# KiCad board AMC_FMC_Carrier-PcbDoc.kicad_pcb (continued)
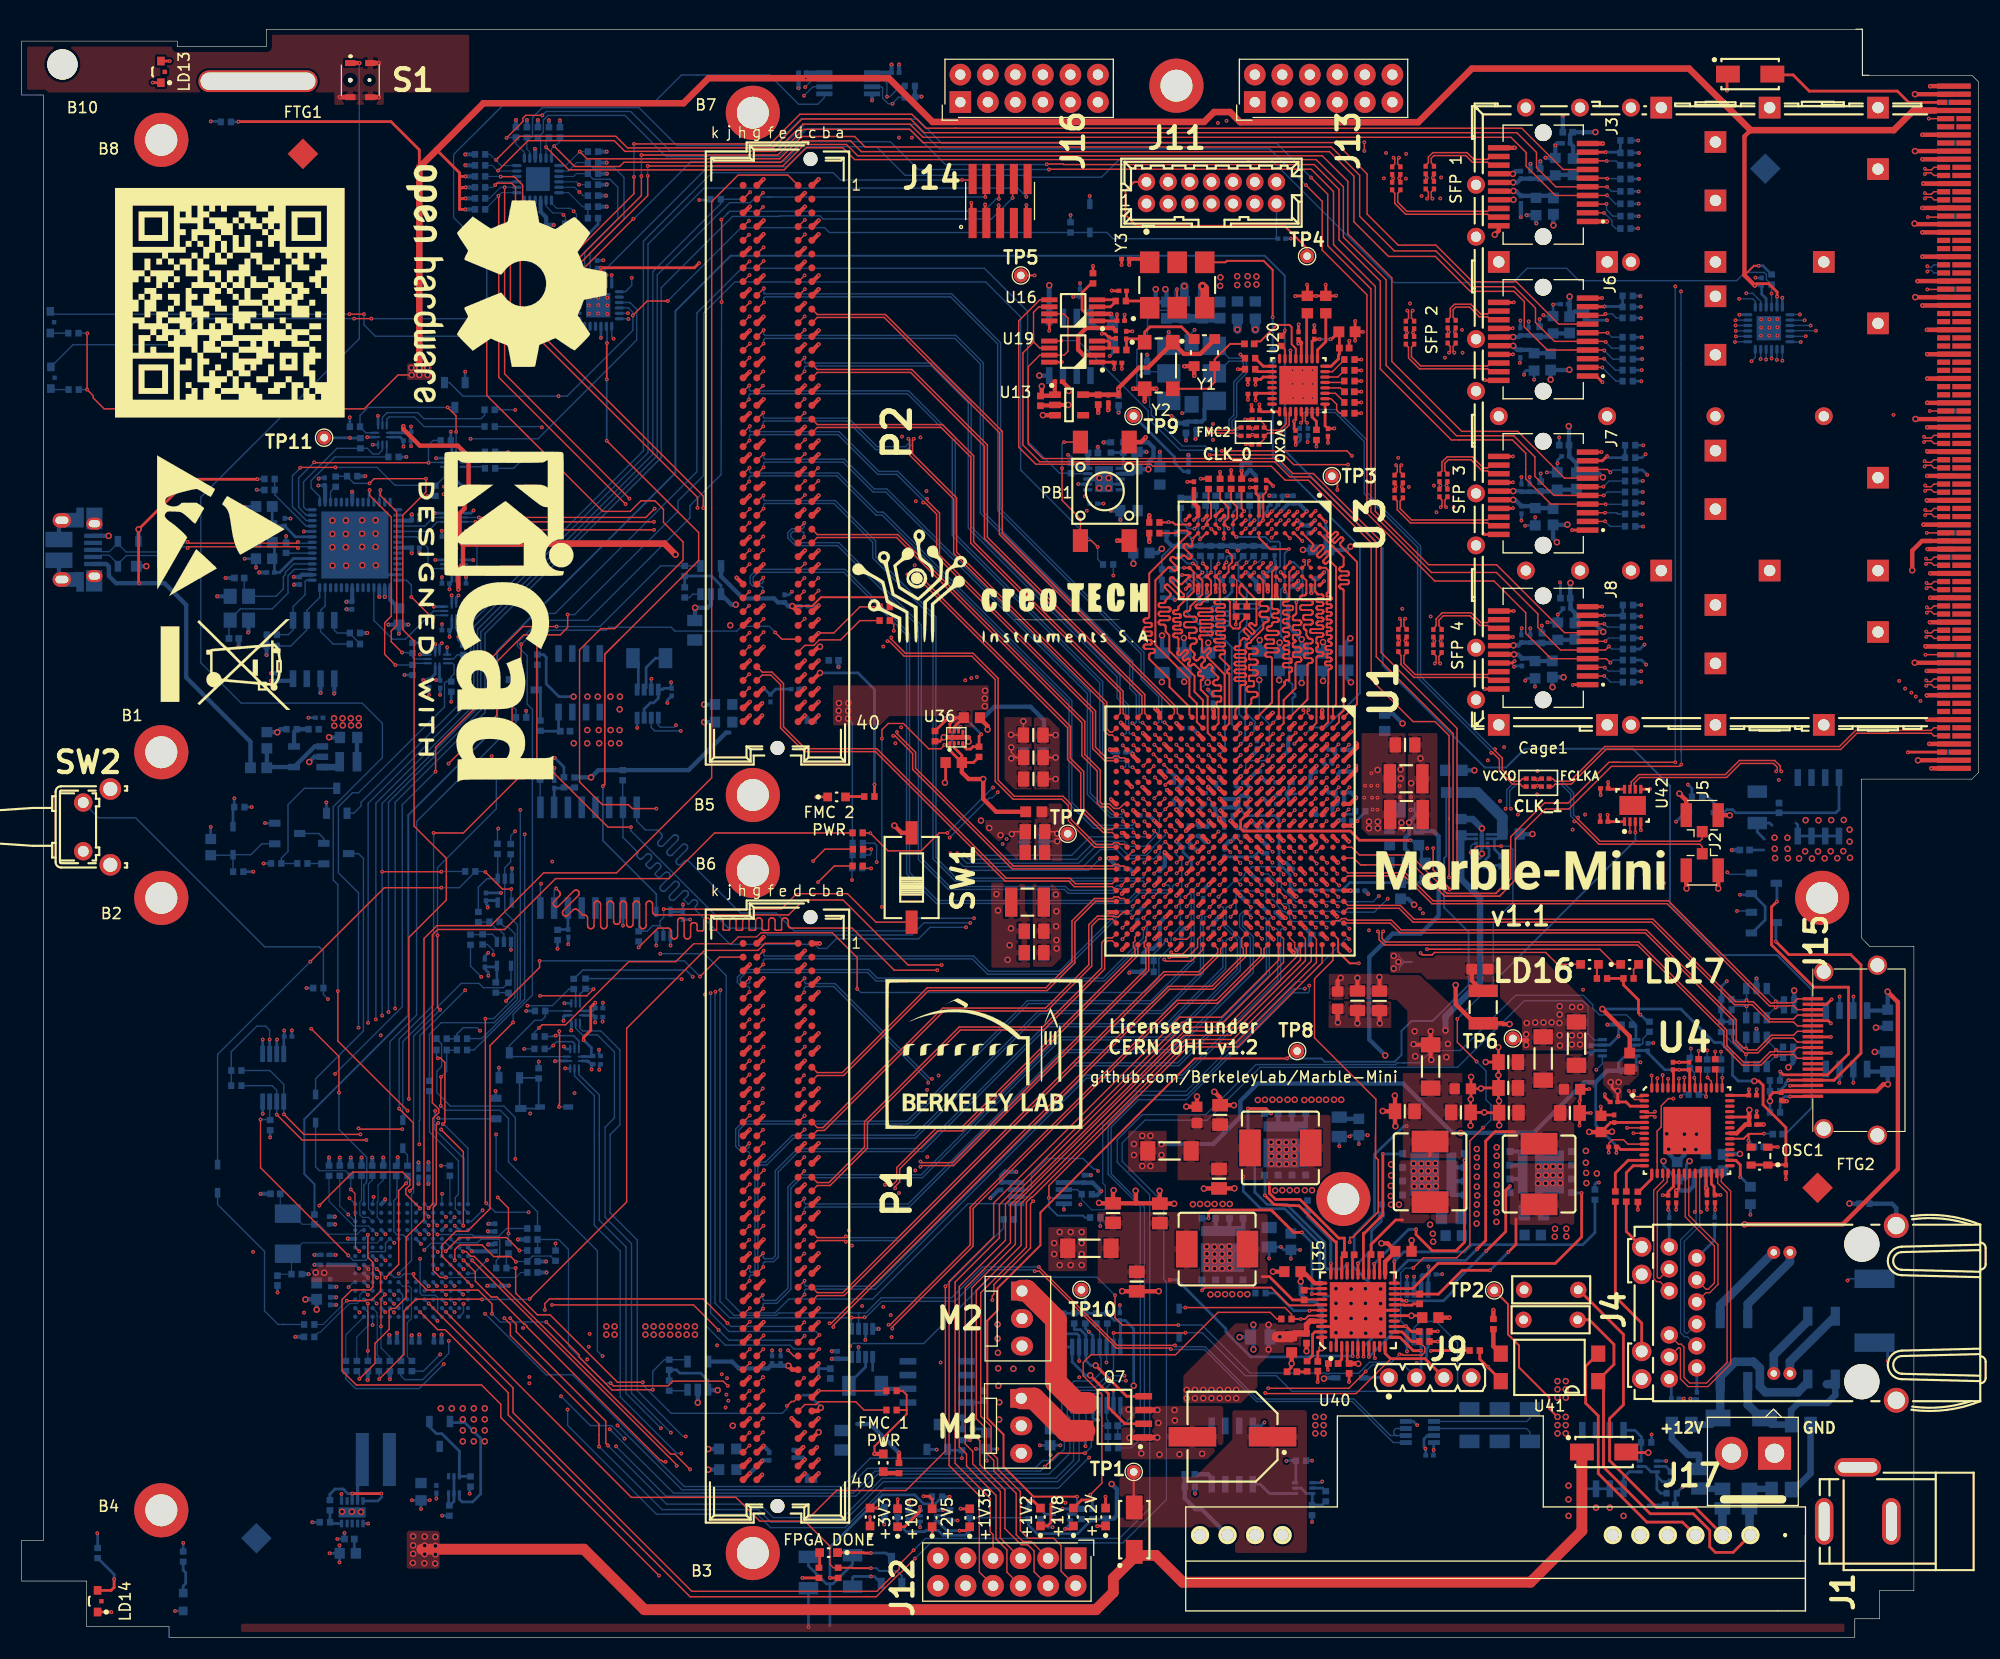
[diagram p0: board, top side]
## Routing (per net, layer and track width the routed paths; a pad name or vN(x,y) marks a point on that pad's centre or on a via; arc(x,y) is an arc through that point) (continued)
  In2.Cu w0.102: v1(80.79,83.6) 80.61,83.6 75.79,88.42 67.27,88.42 67.16,88.53 v1(67.16,88.94)
FMC2_LA_33_N: length 44
  Top w0.112: P2.g37 67.86,88.39
  Top w0.13: U1.AB17 100.67,69.32 97.15,69.32 96.64,69.83 90.77,69.83 78.81,81.79 72.23,81.79 70.04,83.98 70.04,87.97 69.15,88.87 68.36,88.87 P2.g37
FMC2_LA_33_P: length 44
  Top w0.112: P2.g36 67.88,89.64
  Top w0.13: P2.g36 68.36,89.14 69.26,89.14 70.31,88.08 70.31,84.09 72.34,82.06 78.92,82.06 90.89,70.1 96.75,70.1 97.26,69.59 100.67,69.59 U1.AB16
MGTAVCC: length 9.8
  Top w0.381: 117.05,78.99 v1(117.5,79.44) ; U1.E8 118.08,77.96 v1(118.52,78.4) ; 119.07,80.04 v1(119.51,80.48) ; U1.F9 117.08,76.96 ; U1.F7 117.05,78.96 ; 119.06,75.96 U1.D10 119.03,76.13 v1(119.44,76.54) ; U1.D6 119.03,79.99 ; 117.13,77.04 v1(117.55,77.46)
  Bottom w0.254: C217.1 116.81,77.65 116.92,77.53 116.92,77.3 ; C217.1 116.81,78.13 116.97,78.29 116.97,78.91 ; C217.1 117.63,77.89
  Bottom w0.381: 119.36,79.95 119.36,80.33 v1(119.51,80.48) ; C4.1 117.3,79.24 v1(117.5,79.44) ; C221.1 119.44,76.01 v1(119.44,76.54)
  Bottom w0.4: C219.1 119.27,79.95 118.95,79.62 118.95,78.83 v1(118.52,78.4)
MGTAVTT: length 118.4
  Top w0.127: 117.88,54.39 117.73,54.39 v1(116.79,53.45)
  Top w0.178: v1(116.79,53.45) 108.25,53.45 94.03,39.23 94.03,36.21 90.07,32.25 90.07,30.19 89.13,29.25 89.13,20.23 90.63,18.73 90.63,15.76 93.39,12.99 v1(97.41,12.99)
  Top w0.381: U1.B5 121.45,81.38 v1(121.45,81.39) ; U1.C4 120.48,82.41 v1(120.48,82.5) ; U1.C8 120.43,78.36 v1(120.43,78.5) ; U1.B9 121.49,77.42 v1(121.49,77.47) ; U1.B7 121.05,78.96 121.44,79.35
  Top w0.4: U1.B11 121.07,74.96 v1(121.51,75.4) ; 121.44,79.35 121.44,79.35 v1(121.51,79.42)
  Bottom w0.178: R253.1 97.41,12.27 v1(97.41,12.99) ; v1(116.79,53.45) 119.96,53.45 120.27,53.15 126.72,53.15 127.35,53.78 127.35,55.99 128.29,56.93 130.25,56.93 133.55,60.24 133.55,65.14 131.29,67.4 131.29,71.95 131.49,72.15 L16.2
  Bottom w0.254: 123.06,76.01 122.13,76.01 122.05,75.93 122.05,75.48
  Bottom w0.381: C230.1 121.49,77.12 v1(121.49,77.47) 121.24,77.72 C238.1 120.63,78.02 120.43,78.22 v1(120.43,78.5) ; C228.1 121.03,80.96 v1(121.45,81.39) 121.21,81.63 C234.1 120.61,81.98 120.48,82.1 v1(120.48,82.5) ; C232.1 121.51,79.71 v1(121.51,79.42)
  Bottom w0.4: 120.99,76.31 120.99,76.66 121,76.68 121,76.69 121.31,77 C230.1 ; C228.1 120.87,80.76 120.98,80.65 ; 122.05,75.48 121.59,75.48 v1(121.51,75.4)
Rx_4_N: length 64.2
  Top w0.13: C323.1 129.59,133.72 129.84,133.48 129.84,132.96 v1(129.73,132.85) ; P3.48 176.5,108 176.26,108.24 175.75,108.24 v1(175.64,108.13)
  In5.Cu w0.102: v1(129.73,132.85) 129.86,132.72 129.86,132.3 130.33,131.83 142.22,131.83 144.68,129.36 160.28,129.36 166.97,122.67 166.97,114.32 173.02,108.26 175.51,108.26 v1(175.64,108.13)
Rx_4_P: length 63.9
  Top w0.13: C322.1 130.35,133.72 130.11,133.48 130.11,132.96 v1(130.22,132.85) ; P3.47 176.5,108.75 176.26,108.51 175.75,108.51 v1(175.64,108.62)
  In5.Cu w0.102: v1(130.22,132.85) 130.09,132.72 130.09,132.39 130.42,132.05 142.31,132.05 144.78,129.59 160.37,129.59 167.19,122.77 167.19,114.41 173.12,108.49 175.51,108.49 v1(175.64,108.62)
Rx_5_N: length 53.3
  Top w0.13: v1(131.75,118.63) 131.86,118.74 131.86,119.21 131.62,119.44 C325.1 131.62,119.5 ; v1(175.69,103.63) 175.8,103.74 176.26,103.74 176.5,103.5 P3.54
  In5.Cu w0.102: v1(131.75,118.63) 131.88,118.5 131.88,118.09 133,116.97 141.35,116.97 143.51,114.81 157.15,114.81 168.2,103.76 175.56,103.76 v1(175.69,103.63)
Rx_5_P: length 52.9
  Top w0.13: v1(132.24,118.63) 132.13,118.74 132.13,119.21 132.36,119.44 C324.1 132.36,119.5 ; P3.53 176.5,104.25 176.26,104.01 175.8,104.01 v1(175.69,104.12)
  In5.Cu w0.102: v1(132.24,118.63) 132.1,118.5 132.1,118.18 133.09,117.2 141.45,117.2 143.61,115.04 157.25,115.04 168.3,103.99 175.56,103.99 v1(175.69,104.12)
Rx_6_N: length 52.2
  Top w0.13: P3.63 176.5,96.75 176.26,96.99 175.93,96.99 v1(175.82,96.88) ; C327.1 130.86,105.24 131.09,105.01 131.09,104.47 v1(130.98,104.36)
  In5.Cu w0.102: v1(175.82,96.88) 175.69,97.01 174.44,97.01 173.32,98.14 173.32,99.69 171.88,101.12 142.88,101.12 141.86,102.13 139.37,102.13 139.09,101.85 136.22,101.85 135.54,102.54 132.29,102.54 131.11,103.71 131.11,104.23 v1(130.98,104.36)
Rx_6_P: length 51.8
  Top w0.13: C326.1 131.6,105.24 131.36,105.01 131.36,104.47 v1(131.47,104.36) ; v1(175.82,97.37) 175.93,97.26 176.26,97.26 176.5,97.5 P3.62
  In5.Cu w0.102: v1(131.47,104.36) 131.34,104.23 131.34,103.81 132.38,102.77 135.63,102.77 136.32,102.08 138.99,102.08 139.27,102.36 141.96,102.36 142.97,101.35 171.98,101.35 173.54,99.78 173.54,98.23 174.54,97.24 175.69,97.24 v1(175.82,97.37)
Rx_7_N: length 52.5
  Top w0.13: P3.69 176.5,92.25 176.26,92.49 175.9,92.49 v1(175.79,92.38) ; v1(130.44,89.93) 130.55,90.04 130.55,90.62 130.3,90.87 C329.1
  In5.Cu w0.102: v1(130.44,89.93) 130.57,89.8 130.57,89.2 130.92,88.84 138.7,88.84 140.51,90.65 150.59,90.65 152.68,92.73 157.76,92.73 159.71,94.69 172.27,94.69 174.45,92.51 175.66,92.51 v1(175.79,92.38)
Rx_7_P: length 52.1
  Top w0.13: C328.1 131.06,90.84 130.82,90.6 130.82,90.04 v1(130.93,89.93) ; v1(175.79,92.87) 175.9,92.76 176.26,92.76 176.5,93 P3.68
  In5.Cu w0.102: v1(130.93,89.93) 130.8,89.8 130.8,89.29 130.99,89.09 138.63,89.09 140.41,90.88 150.5,90.88 152.58,92.96 157.66,92.96 159.62,94.92 172.36,94.92 174.54,92.74 175.66,92.74 v1(175.79,92.87)
Tx_4_N: length 71.5
  Top w0.13: v1(126.63,136.64) 126.74,136.53 126.74,136.07 126.49,135.82 C315.1 ; P3.45 176.5,110.25 176.26,110.49 175.7,110.49 v1(175.59,110.38)
  In5.Cu w0.102: v1(175.59,110.38) 175.46,110.51 172.93,110.51 169.1,114.34 169.1,128.97 162.87,135.2 138.86,135.2 138.43,135.64 127.43,135.64 126.76,136.31 126.76,136.51 v1(126.63,136.64)
Tx_4_P: length 71.1
  Top w0.13: C314.1 127.25,135.82 127.01,136.07 127.01,136.53 v1(127.12,136.64) ; v1(175.59,110.87) 175.7,110.76 176.26,110.76 176.5,111 P3.44
  In5.Cu w0.102: v1(175.59,110.87) 175.46,110.74 173.03,110.74 169.33,114.44 169.33,129.07 162.96,135.43 138.96,135.43 138.53,135.86 127.53,135.86 126.99,136.41 126.99,136.51 v1(127.12,136.64)
Tx_5_N: length 59.9
  Top w0.13: v1(127.9,122.52) 128.01,122.41 128.01,121.82 127.76,121.57 C317.1 ; P3.51 176.5,105.75 176.26,105.99 175.8,105.99 v1(175.69,105.88)
  In5.Cu w0.102: v1(127.9,122.52) 128.03,122.39 128.03,121.68 128.3,121.41 131.87,121.41 133.04,122.58 140.69,122.58 142.37,120.9 149.89,120.9 154.51,116.28 157.97,116.28 169.24,105 173.4,105 174.41,106.01 175.56,106.01 v1(175.69,105.88)
Tx_5_P: length 59.5
  Top w0.13: v1(175.69,106.37) 175.8,106.26 176.26,106.26 176.5,106.5 P3.50 ; C316.1 128.52,121.57 128.28,121.82 128.28,122.41 v1(128.39,122.52)
  In5.Cu w0.102: v1(128.39,122.52) 128.26,122.39 128.26,121.78 128.39,121.64 131.78,121.64 132.95,122.81 140.79,122.81 142.46,121.13 149.98,121.13 154.61,116.51 158.06,116.51 169.34,105.23 173.31,105.23 174.31,106.24 175.56,106.24 v1(175.69,106.37)
Tx_6_N: length 57.9
  Top w0.13: v1(126.86,108.24) 126.97,108.13 126.97,107.62 126.72,107.38 C319.1 ; P3.60 176.5,99 176.26,99.24 175.88,99.24 v1(175.77,99.13)
  In5.Cu w0.102: v1(175.77,99.13) 175.64,99.26 174.96,99.26 174.41,99.81 174.41,101.11 172.77,102.74 164.47,102.74 160.86,106.35 152.25,106.35 150.55,108.05 143.54,108.05 142.67,108.91 139.52,108.91 137.92,107.31 127.23,107.31 126.99,107.56 126.99,108.11 v1(126.86,108.24)
Tx_6_P: length 57.6
  Top w0.13: v1(175.77,99.62) 175.88,99.51 176.26,99.51 176.5,99.75 P3.59 ; v1(127.35,108.24) 127.24,108.13 127.24,107.62 127.48,107.38 C318.1
  In5.Cu w0.102: v1(175.77,99.62) 175.64,99.49 175.06,99.49 174.64,99.91 174.64,101.2 172.87,102.97 164.56,102.97 160.96,106.58 152.35,106.58 150.64,108.28 143.63,108.28 142.77,109.14 139.42,109.14 137.82,107.54 127.33,107.54 127.22,107.65 127.22,108.11 v1(127.35,108.24)
Tx_7_N: length 55.1
  Top w0.13: P3.66 176.5,94.5 176.26,94.74 175.95,94.74 v1(175.84,94.63) ; C321.1 127.07,93.12 127.31,93.37 127.31,93.96 v1(127.2,94.07)
  In5.Cu w0.102: v1(175.84,94.63) 175.71,94.76 174.61,94.76 173.33,96.04 159.31,96.04 158.09,97.26 154.1,97.26 152.88,96.04 142.74,96.04 140.77,94.07 140.66,94.07 140.65,94.06 131.75,94.06 130.65,92.96 127.74,92.96 127.33,93.37 127.33,93.94 v1(127.2,94.07)
Tx_7_P: length 54.8
  Top w0.13: v1(127.69,94.07) 127.58,93.96 127.58,93.38 127.83,93.14 C320.1 ; v1(175.84,95.12) 175.95,95.01 176.26,95.01 176.5,95.25 P3.65
  In5.Cu w0.102: v1(127.69,94.07) 127.56,93.94 127.56,93.46 127.83,93.19 130.56,93.19 131.65,94.28 140.55,94.28 140.56,94.3 140.68,94.3 142.65,96.27 152.78,96.27 154,97.49 158.19,97.49 159.41,96.27 173.43,96.27 174.71,94.99 175.71,94.99 v1(175.84,95.12)
VTT_DDR3: length 44.2
  Top w0.178: R22.1 113.06,94.26 112.44,93.64 112.44,93.26 112.34,93.16 111.83,93.16 111.52,93.46 111.52,95.63 111.28,95.87 v1(111.03,95.87)
  Top w0.254: R27.1 v1(110.62,107.63) ; v1(108.83,107) 108.84,106.98 R6.1
  Top w0.4: R10.1 v1(104.08,101.18)
  In5.Cu w0.254: v1(111.03,95.87) 110.63,96.27 110.63,97.42 111,97.79 111,98.47 111.67,99.14 111.67,99.77 v1(112.26,100.36)
  Bottom w0.178: R8.1 105.68,101.32 106.21,100.78 105.24,99.81 R17.1
  Bottom w0.254: R18.1 112.32,100.36 v1(112.26,100.36) ; TP9.1 106.4,109.01 106.4,108.48 107.24,107.64 C368.2 ; R12.1 111.71,96.54 v1(111.03,95.87) ; 112.37,100.78 112.26,100.68 v1(112.26,100.36) ; v1(112.26,100.36) 112.21,100.36 R11.1 ; R20.1 114.88,100.62 C366.2 ; 110.22,105.44 R5.1 ; 108.32,105.44 R14.1 ; 109.3,105.42 R13.1
  Bottom w0.4: R7.1 108.01,105.23 R14.1 ; R17.1 105.26,97.61 C369.2 ; v1(115.15,105.44) 115.16,105.42 115.67,105.42 ; R8.1 105.68,101.26 106.14,100.8 111.49,100.8 111.5,100.79 R11.1 111.79,100.78 R18.1 R21.1 R20.1 ; 113.92,107.25 113.4,107.76 C365.2 113.31,107.76 113.07,107.53 113.07,107.5 112.9,107.33
Net-(C30-Pad2): length 7.2
  Top w0.4: v2(137.67,134.35) 137.66,134.35 J3.15
  Bottom w0.4: L1.2 141.6,135.06 C30.2 141.27,134.73 C31.1 140.13,134.7 C34.1 138.03,134.35 v2(137.67,134.35)
Net-(C33-Pad2): length 5.6
  Top w0.4: v2(137.69,133.57) 137.68,133.55 J3.16
  Bottom w0.4: 141.68,132.88 141.45,133.12 C35.1 137.93,133.57 v2(137.69,133.57)
Net-(C38-Pad1): length 3.7
  Bottom w0.254: R225.2 50.06,78.47 R224.2 49.98,78.42 C38.1 49.15,78.4 U30.2
Net-(C39-Pad1): length 3
  Bottom w0.254: U30.14 50.42,65.4 C39.1 49.5,65.36 R227.2
Net-(C42-Pad2): length 19.9
  Top w0.254: 159.44,48.04 159.44,48.05 U4.38 ; 146.8,51.25 146.79,51.23 146.79,50.76 147.31,50.23 C46.1 148.08,49.44 148.47,49.05 U4.3 ; U4.19 152.46,41.63 151.96,41.14 151.96,41 ; v1(156.8,40.85) 156.79,40.85 C52.1 ; U4.26 155.96,41.87 156.21,41.62 156.21,40.88 ; v1(151.46,40.83) 151.47,40.82 C48.1
  Top w0.4: U4.35 158.3,46.55 159.1,47.36 159.44,47.36 159.44,48.68 v2(159.46,48.7)
  Bottom w0.254: v2(151.54,43.98) 151.54,43.56 C42.2 153.56,42.29 153.65,42.38 153.65,43.68 v2(153.95,43.98)
  vias: v2(146.66,51.27) v2(147.32,50.46) v2(147.4,51.27)
Net-(C47-Pad2): length 12.1
  Top w0.254: v1(152.73,41.26) 152.96,41.49 U4.20 ; 152.76,40.88 C51.1 ; 155.47,40.88 v1(155.47,41.49) 155.47,41.67 155.46,41.68 U4.25
  Top w0.4: C51.1 152.71,41.24 v1(152.73,41.26) ; C49.1 155.55,41.41 v1(155.47,41.49)
  Bottom w0.4: C47.2 155.46,41.5 v1(155.47,41.49) ; C47.2 154.49,43.03 154.33,42.86 154.33,41.69 153.9,41.26 v1(152.73,41.26) ; C47.2 155.47,43.04 157.05,43.04
Net-(C58-Pad1): length 2
  Bottom w0.254: J4.7 152.07,36.06 C58.1
Net-(C59-Pad1): length 3.7
  Bottom w0.254: C59.1 156.26,36.68 J4.1
Net-(C60-Pad1): length 2.2
  Bottom w0.254: J4.6 154.62,24.87 C60.1
Net-(C72-Pad2): length 6.8
  Top w0.4: J6.15 137.66,120.07 v2(137.67,120.08)
  Bottom w0.4: L41.2 142.82,120.41 C72.2 141.07,120.12 C73.1 140.01,120.22 C76.1 C74.1 138.18,120.08 v2(137.67,120.08)
Net-(C75-Pad2): length 5.1
  Top w0.4: v2(137.67,119.27) 137.66,119.27 J6.16
  Bottom w0.4: L42.2 141.07,118.58 C75.2 139.29,118.89 C77.1 138.04,118.89 v2(137.67,119.27)
Net-(C84-Pad2): length 7.3
  Top w0.4: J7.15 137.66,105.85 v2(137.67,105.85)
  Bottom w0.4: L5.2 143.46,105.98 C84.2 141.57,105.82 C85.1 140.18,105.8 C86.1 C88.1 138.37,105.85 v2(137.67,105.85)
Net-(C87-Pad2): length 5.4
  Top w0.4: v2(137.67,105.04) 137.66,105.05 J7.16
  Bottom w0.4: L6.2 141.3,104.28 C87.2 139.51,104.46 C89.1 137.85,105.04 v2(137.67,105.04)
Net-(C93-Pad1): length 12.4
  Bottom w0.102: 23.72,33.54 R132.1 24.9,35.08 Y5.2 24.91,35.42 25.91,36.43 32.81,36.43 U2.K4
  Bottom w0.127: U2.K4 33.19,36.8
Net-(C100-Pad1): length 7.3
  Top w0.4: J8.15 137.66,91.58 v2(137.69,91.6)
  Bottom w0.4: v2(137.69,91.6) 138.16,91.6 C98.1 C100.1 140.28,91.86 C97.1 141.5,91.83 C96.2 143.32,92.11 L7.2
Net-(C101-Pad1): length 5.2
  Top w0.4: v2(137.74,90.77) 137.73,90.78 J8.16
  Bottom w0.4: v2(137.74,90.77) 138.12,90.77 C101.1 139.44,90.41 C99.2 141.26,90.16 L8.2
Net-(C102-Pad1): length 10.1
  Bottom w0.102: C92.1 23.87,39.82 Y5.1 24.91,39.12 25.89,38.14 C102.1 27.44,38.14 28.35,37.23 30.97,37.23 31.35,37.61 U2.L2
  Bottom w0.127: U2.L2 31.6,37.61
Net-(C106-Pad1): length 17.5
  Top w0.254: U16.2 98.25,122.22 97.88,122.59 97.88,124.18 98.73,125.03 R58.1
  Top w0.4: v1(99.85,120.92) 98.27,120.92 97.51,120.15 97.51,118.91 98.01,118.41 U19.2
  Top w0.402: v1(99.85,120.92) 100.73,120.92 C90.1 ; v1(100.56,122.21) 99.26,122.21 U16.2
  Bottom w0.402: 99.52,120.92 99.24,120.92 ; 99.24,120.92 v1(99.85,120.92) 100.42,120.92 C106.1 ; 99.24,120.92 98.65,121.5 U14.8 98.75,122.02 ; C106.1 100.47,120.97 ; C106.1 100.68,121.85 100.56,121.98 v1(100.56,122.21)
Net-(C107-Pad1): length 16.3
  Top w0.402: Y1.6 110.12,119.86 108.78,118.52 107.28,118.52 106.25,119.55 ; 106.25,119.55 Y2.4 ; 106.25,119.55 103.96,117.26 103.13,117.26 101.24,115.37 C107.1 101.15,114.75 U13.5
  Bottom w0.4: v1(101.24,115.23) C107.1
Net-(C111-Pad1): length 5
  Bottom w0.802: L11.2 110.6,121.8 L12.1
Net-(C114-Pad1): length 9.6
  Top w0.178: C114.1 111.55,119.45 110.12,118.02 Y1.4 110.12,115.92 109.49,115.3 Y2.3
Net-(C114-Pad2): length 7.3
  Top w0.178: C114.2 113.99,119.67 114.32,119.67 115.85,121.2 117.02,121.2 117.22,120.99 117.22,119.42 117.61,119.01 U20.21
Net-(C120-Pad1): length 4.2
  Top w0.254: C120.1 118.61,122.21 U20.19
Net-(C121-Pad1): length 4.5
  Top w0.254: U20.17 119.61,118.88 120.37,119.65 C121.1
Net-(C123-Pad1): length 8.5
  Top w0.254: v1(120.8,119.87) 120.89,119.87 L26.1 121.62,120.51 C123.1 121.62,118.5 121.54,118.42 121.54,118.06 120.86,117.38 U20.16 ; v1(119.82,119.87) 119.82,119.88 C126.1 119.11,119.68 U20.18
  Bottom w0.254: v1(119.82,119.87) v1(120.8,119.87)
Net-(C127-Pad1): length 12.9
  Top w0.254: U35.4 122.34,25.47 C140.1 ; C127.1 129.09,29.71 U35.16
  Top w0.4: v2(123.37,25.26) 123.34,25.28 C140.1
  In2.Cu w0.4: v2(128.27,29.7) 128.27,28.16 125.25,25.13 123.92,25.13 123.79,25.26 v2(123.37,25.26)
Net-(C128-Pad1): length 14.2
  Top w0.254: 148.42,16.8 D4.2 148.17,17.06 v2(150.14,17.06)
  In2.Cu w0.254: v2(150.14,17.06) 150.14,13.5
  Bottom w0.254: 148.39,15.29 148.42,15.32 ; 148.39,15.29 Q1.1 ; 148.39,15.29 147.85,14.75 Q2.5 Q2.8 ; C128.1 150.14,12.23
  vias: v2(142.77,14.01) v2(142.77,12.74) v2(142.77,11.21) v2(145.31,11.98) v2(146.58,11.98) v2(147.85,11.21)
Net-(C129-Pad1): length 124.3
  Top w1: D4.1 144.01,9.83 139.27,5.09 107.16,5.09 104.69,7.57 102.69,7.57 ; 102.69,7.57 D12.1 ; 102.69,7.57 102.69,7.39 100.76,5.46 100.76,4.15 99.16,2.55 57.48,2.55 51.89,8.14 36.93,8.14
  Bottom w0.254: C129.1 30.7,7.91 C130.1
  vias: v2(36.13,9.33) v2(36.13,8.5) v2(36.13,7.71) v2(36.11,6.87) v2(37.2,9.31) v2(37.2,8.47) v2(37.2,7.68) v2(37.17,6.84) v2(38.19,9.28) v2(38.19,8.45) v2(38.19,7.66) v2(38.16,6.82)
Net-(C132-Pad1): length 8.2
  Top w0.254: v1(30.5,13.27) v1(33.2,13.27)
  Bottom w0.254: U18.10 32.88,12.59 33.25,12.97 ; R109.1 28.45,13.22 28.93,13.7 29.67,13.7 30.1,13.27 v1(30.5,13.27) U18.8
Net-(C134-Pad2): length 3.6
  Bottom w0.254: C134.2 88.64,21.68 Q16.4 87.63,21.68 87.77,21.54 R213.2
Net-(C135-Pad2): length 3.7
  Bottom w0.254: Q23.4 49.55,83.84 C135.2 47.92,83.68 R214.2
Net-(C138-Pad2): length 1.8
  Top w0.254: 121.43,25.27 121.84,25.68 U35.3
Net-(C144-Pad1): length 27.1
  Top w0.254: v2(119.99,26.71) 119.63,26.35 C362.1
  Top w0.4: 125.84,33.78 U35.23 125.84,34.68 126.78,35.62 C361.1 126.78,35.67 126.07,36.39 v2(125.5,36.39) ; U35.44 119.99,26.71 v2(119.99,26.71) ; v2(118.06,32.85) 118.06,33.76 C144.1 118.29,33.77 119.35,32.71 U35.34 119.61,32.71
  In2.Cu w0.4: v2(118.06,32.85) 122.18,36.98 122.63,36.98 122.65,37 124.96,37 v2(125.5,36.39)
  Bottom w0.4: v2(118.06,32.85) 118.06,31.69 118.69,31.05 119.33,31.05 119.99,30.39 v2(119.99,26.71)
Net-(C145-Pad1): length 11
  Bottom w0.254: 135.94,73.75 135.94,72.78 136.58,72.14 R195.1 ; 135.94,73.75 136.23,73.75 C145.1 136.63,74.15 U37.1 ; 135.94,73.75 U37.2
  Bottom w1: L16.1 134.35,78.02 136.66,75.71 C145.1
Net-(C162-Pad1): length 7.7
  Bottom w0.4: U22.1 27.04,82.27 U22.4 22.68,80.37 L10.2 22.63,80.31 C162.1
Net-(C165-Pad1): length 9.7
  Bottom w0.127: U23.4 25.12,99.13 24.35,98.35 24.35,98.15 24.15,97.96 24.15,96.82 23.46,96.13 Y4.1 20.54,96.53 C165.1
Net-(C167-Pad1): length 7.5
  Bottom w0.127: C167.1 23.13,99.92 23.33,100.13
  Bottom w0.254: L24.2 23.33,100.93 C174.1 23.81,98.34 25.1,99.63 U23.5
Net-(C168-Pad1): length 5.9
  Bottom w0.254: L25.2 C168.1 24.24,102.65 25.27,101.63 U23.9
Net-(C171-Pad1): length 12.2
  Bottom w0.127: U23.3 25.18,98.63 24.59,98.03 24.59,96.43 23.13,94.97 20.18,94.97 19.24,94.03 Y4.3 19.13,93.83 C171.1
Net-(C188-Pad2): length 6.6
  Bottom w0.127: C188.2 100.26,20.02 100.14,20.14 U27.11 ; C188.2 99.82,19.54 99.74,19.62 99.74,20.27 99.5,20.51 U27.12 ; C188.2 C189.2 100.26,17.49 R129.2 100.14,17.61
Net-(C199-Pad1): length 1.1
  Bottom w0.127: U2.F2 31.59,33.6 ; U2.G2 31.59,34.41
  Bottom w0.254: 31.59,34.41 v1(32,34) ; 31.59,33.6 v1(31.98,33.21)
  vias: v2(27.14,33.69) v2(27.93,33.67)
Net-(C350-Pad1): length 9.9
  Top w0.178: D12.2 102.64,12.04 TP1.1
  Bottom w0.254: Q22.1 115.18,13.28 114.33,14.13 Q4.5
  Bottom w0.4: Q4.8 109.83,14.72 109.5,15.05 R197.1
Net-(C352-Pad1): length 1.9
  Bottom w0.254: 152.1,23.84 J4.12 152.26,23.67 C352.1
Net-(C353-Pad1): length 37.2
  Top w0.254: U40.1 157.97,7.85 156.32,7.85 155.81,8.36 155.81,9.88 154.28,11.41 150.32,11.41 146,15.73 146,23.74 ; U41.1 145.52,23.76 146.97,25.21 146.97,27.05 144.69,29.32 C353.1
  Bottom w0.8: U40.1 159.48,9.52 L39.2
Net-(C354-Pad1): length 33.8
  Top w0.254: U40.2 154.49,11.98 150.92,11.98 146.56,16.33 146.56,20.2 147.84,21.47 147.84,27.98 143.72,32.09
  Bottom w0.8: U40.2 156.98,9.49 L40.2
Net-(C357-Pad2): length 17
  Bottom w0.254: Q3.4 167.74,76.44 167.44,76.14 C357.2 158.2,76.14 157.91,76.44 157.4,76.44 157.13,76.16 D9.1 156.34,76.92 155.65,77.61 R170.1
Net-(C360-Pad1): length 8.2
  Bottom w0.127: D16.2 21.15,72.27 22.16,73.28 Q18.1 ; D16.2 19.51,70.45 ; D16.2 19.46,72.22 C360.1
Net-(C374-Pad1): length 6.3
  Top w0.178: U4.34 158.95,46.05 159.4,46.49 ; v1(160.81,46.52) 160.78,46.49 159.4,46.49 ; 159.63,45.29 159.4,45.52 159.4,46.49
  Bottom w0.178: v1(159.38,45.88) 159.85,45.42 159.85,45.3 ; C374.1 161.58,46.52 v1(160.81,46.52)
Net-(C389-Pad2): length 1.9
  Top w0.127: U20.12 121.72,115.38 122.08,115.02
Net-(D2-Pad2): length 26.7
  Top w0.127: v1(107.4,30.45) 116.59,30.45 117.21,29.84 R245.1
  Top w0.178: R245.1 118.47,29.4 118.77,29.71 U35.40
  In2.Cu w0.127: J9.1 123.47,23.99 v1(118.06,29.4)
  Bottom w0.127: v1(107.4,30.45) 106.93,30.45 D2.2
  Bottom w0.254: J9.1 123.9,23.99 D5.2
Net-(D6-Pad3): length 14.8
  Bottom w0.6: D7.3 167.4,22.38 166.67,21.65 163.99,21.65 163.31,20.97 L35.1 161.48,19.65 D8.1
  Bottom w0.8: 167.33,23.38 166.62,23.38 ; D6.3 159.32,21.49 160.57,20.24
Net-(D6-Pad4): length 18.3
  Bottom w0.6: L36.1 155.96,19.65 D8.2
  Bottom w0.8: 156.27,20.24 156.78,20.75 D6.4 156.78,24.07 158.16,25.45 159.84,25.45 160.44,24.85 160.44,23.16 160.96,22.63 163.94,22.63 164.86,23.55 D7.4
Net-(D13-Pad4): length 48
  Top w0.254: v1(21.74,106.95) 15.42,106.95 v2(10.79,102.32) 10.79,97.4 v1(10.85,97.35)
  Bottom w0.127: 22.39,106.95 R112.1
  Bottom w0.254: R112.1 21.77,106.97 v1(21.74,106.95)
  Bottom w0.4: D13.4 10.78,102.31 v2(10.79,102.32) ; J10.1 7.82,99.12 8.05,98.88 8.05,98.01 8.71,97.35 v1(10.85,97.35) ; v1(10.85,97.35) 11,97.35 ; v1(10.85,97.35) 13.18,97.35 15.19,95.34 15.19,88.63 21.12,82.7 21.12,80.36 21.08,80.33
Net-(D14-Pad2): length 9.2
  Bottom w0.15: 47.66,51.67 R246.2 47.71,49.11 D14.2 47.71,48.83 Q5.3 45.96,48.94 Q17.1 47.66,51.67
Net-(D17-Pad1): length 46.2
  Top w0.127: v1(45.19,69.1) 44.37,69.1 v1(42.8,70.68) ; v1(38.73,69.23) 33.48,69.23 v1(26.64,62.39)
  Bottom w0.127: v1(42.8,70.68) 42.75,70.73 R276.2 41.87,70.71 40.39,69.23 v1(38.73,69.23) ; v1(45.19,69.1) 45.19,67.91 U7.4 ; D17.1 18.08,53.83 v1(26.64,62.39)
Net-(D18-Pad1): length 21.2
  Bottom w0.127: U10.4 45.16,60.68 R63.2 44.91,60.45 44.45,59.99 42.61,59.99 42.21,60.39 40.56,60.39 35.18,55 D18.1
Net-(J3-Pad9): length 4.2
  Top w0.254: J3.9 146.2,137.15 v1(146.2,137.15)
  Bottom w0.254: R33.1 R32.1 147.5,137.15 v1(146.2,137.15)
Net-(J4-Pad17): length 4.8
  Top w0.254: R67.1 148.11,37.48 J4.17
Net-(J4-Pad19): length 14.8
  Top w0.254: J4.19 149.53,29.02 147.09,31.46 R156.1
Net-(J4-Pad21): length 20.4
  In2.Cu w0.4: J4.22 J4.21
  Bottom w0.4: J4.21 173.02,39.65 172.63,40.04 R165.2
Net-(J6-Pad9): length 4.3
  Top w0.254: J6.9 146.08,122.87 v1(146.1,122.9)
  Bottom w0.254: v1(146.1,122.9) 147.73,122.9 147.76,122.86 147.76,123.88
Net-(J7-Pad9): length 4.8
  Top w0.254: v1(146.33,109.08) 145.9,108.65 J7.9
  Bottom w0.254: R77.1 R76.1 146.47,108.94 v1(146.33,109.08)
Net-(J8-Pad9): length 4.3
  Top w0.254: J8.9 146.07,94.38 v1(146.07,94.37)
  Bottom w0.254: v1(146.07,94.37) 147.73,94.37 R85.1 R86.1
Net-(J15-Pad15): length 29
  Top w0.254: v1(162.32,52.24) 162.62,51.94 166.67,51.94 168.62,53.89 168.62,60.04 165.42,60.04 161.51,63.95 161.51,67.44 v1(162.01,67.95)
  Bottom w0.254: v1(162.01,67.95) 162.01,69.58 Q20.3 ; 162.14,69.71 161.95,69.52 ; 162.31,51.53 162.31,52.24 v1(162.32,52.24)
Net-(J15-Pad16): length 27.8
  Top w0.254: v1(163.07,51.45) 165.04,51.45 165.04,51.44 167.28,51.44 169.77,53.94 169.77,62.1 168.82,63.05 163.11,63.05 v1(161.91,64.25)
  Bottom w0.254: Q21.3 161.91,65.96 v1(161.91,64.25) ; v1(163.07,51.45) 162.83,51.21 162.83,51.03 162.32,50.52 162.31,50.52 ; 161.94,66.07 161.85,66.15
Net-(L13-Pad1): length 3.8
  Bottom w0.254: 31,16.33 31.04,16.37
  Bottom w0.3: U18.9 31,16.33
Net-(L23-Pad1): length 1.4
  Bottom w0.602: U22.3 29.12,80.37 29.13,80.38
Net-(L35-Pad2): length 6.9
  Bottom w0.6: L35.2 165.11,15.15 163.61,13.65 L37.1
Net-(L36-Pad2): length 5.7
  Bottom w0.6: L38.1 154.81,16.85 153.79,16.85 152.31,18.32 L36.2
Net-(L37-Pad2): length 2.1
  Bottom w0.6: L37.2 161.44,13.71 L39.1
Net-(L38-Pad2): length 2.2
  Bottom w0.6: L40.1 154.84,13.71 L38.2
Net-(LD1-Pad2): length 1.5
  Top w0.4: R235.2 79.65,15.16 LD1.2
Net-(LD2-Pad2): length 1.7
  Top w0.254: R236.2 76.08,77.64 LD2.2
Net-(LD3-Pad1): length 5.2
  Top w0.254: v1(78.38,7.78) 77.73,7.78 77.69,7.82 LD3.1
  Bottom w0.254: v1(78.38,7.78) 79.79,7.78 Q19.3
Net-(LD3-Pad2): length 1.4
  Top w0.254: LD3.2 73.65,6.5 R163.2
Net-(LD4-Pad2): length 1.4
  Top w0.254: LD4.2 78.99,11.94 v1(79.01,11.95)
  Bottom w0.254: v1(79.01,11.95) 79.54,11.95 R248.2
Net-(LD5-Pad1): length 3.4
  Top w0.254: LD5.1 81.5,10.21 82.93,11.64 v1(82.93,12.05)
  Bottom w0.254: 82.92,11.74 82.93,11.75 v1(82.93,12.05)
Net-(LD5-Pad2): length 1.6
  Top w0.254: LD5.2 80.86,11.87 v1(80.86,12.75)
  Bottom w0.254: R249.2 80.85,12.74 v1(80.86,12.75)
Net-(LD6-Pad2): length 2.6
  Top w0.254: 84.05,11.86 84.05,12.76 83.78,13.03 v1(83.23,13.03)
  Bottom w0.254: v1(83.23,13.03) 83.97,13.03 R251.2
Net-(LD7-Pad1): length 3.5
  Top w0.254: v1(86.56,9.85) 87.15,9.85 LD7.1
  Bottom w0.254: v1(86.56,9.85) 85.38,9.85 84.5,10.74
Net-(LD7-Pad2): length 1.7
  Top w0.254: LD7.2 86.68,11.86 v1(86.65,11.89)
  Bottom w0.254: v1(86.65,11.89) 87.38,11.89 R252.2
Net-(LD8-Pad1): length 3.7
  Top w0.254: LD8.1 94.68,10.29 95,10.6 95,12.3 v1(95.17,12.47)
  Bottom w0.254: 95.14,11.87 95.14,12.44 v1(95.17,12.47)
Net-(LD8-Pad2): length 2.2
  Top w0.254: v1(92.91,12.61) 93.36,12.61 LD8.2
  Bottom w0.254: R254.2 92.93,12.6 v1(92.91,12.61)
Net-(LD9-Pad1): length 1.9
  Top w0.254: v1(96.29,10.01) 96.8,10.01 LD9.1
  Bottom w0.254: v1(96.29,10.01) 96.73,10.44 96.73,10.87
Net-(LD9-Pad2): length 2.9
  Top w0.254: LD9.2 97.83,12.69 v1(98.83,12.69)
  Bottom w0.254: R256.2 v1(98.83,12.69)
Net-(LD10-Pad2): length 2.2
  Top w0.254: LD10.2 100.05,12.98 v1(100.04,12.99)
  Bottom w0.254: R257.2 100.04,11.98 v1(100.04,12.99)
Net-(LD11-Pad1): length 50.4
  Top w0.127: v1(32.28,121.78) v1(30.68,121.78)
  Bottom w0.127: v1(32.28,121.78) 32.3,121.77 U39.13 ; LD11.1 4.74,119.37 13.87,119.37 16.28,121.78 v1(30.68,121.78)
Net-(LD11-Pad2): length 1.7
  Bottom w0.127: R264.2 2.78,115.23 LD11.2
Net-(LD12-Pad1): length 51.5
  Top w0.127: v1(31.6,122.19) v1(30.25,122.19)
  Bottom w0.127: U39.12 51.96,120.54 51.58,120.15 32.64,120.15 31.6,121.2 v1(31.6,122.19) ; v1(30.25,122.19) 2.9,122.19 LD12.1
Net-(LD12-Pad2): length 1.7
  Bottom w0.127: R265.2 2.66,120.43 LD12.2
Net-(LD13-Pad1): length 112.6
  Top w0.127: v1(26.72,56.2) 29.29,53.63 v1(29.29,50.3)
  Top w0.254: v1(12.09,143.57) 12.1,143.56 LD13.1
  In2.Cu w0.127: v1(26.72,56.2) 16.51,66.41 16.51,139.15 v1(12.09,143.57)
  Bottom w0.127: v1(29.29,50.3) 29.29,46.9 31.85,44.33 31.85,42.23 31.82,42.2 31.82,42 31.59,41.76 U2.P2
